# Allegro board TDI_KU5P_QSFP28_CXP_V001-20240805_1841.brd (continued)
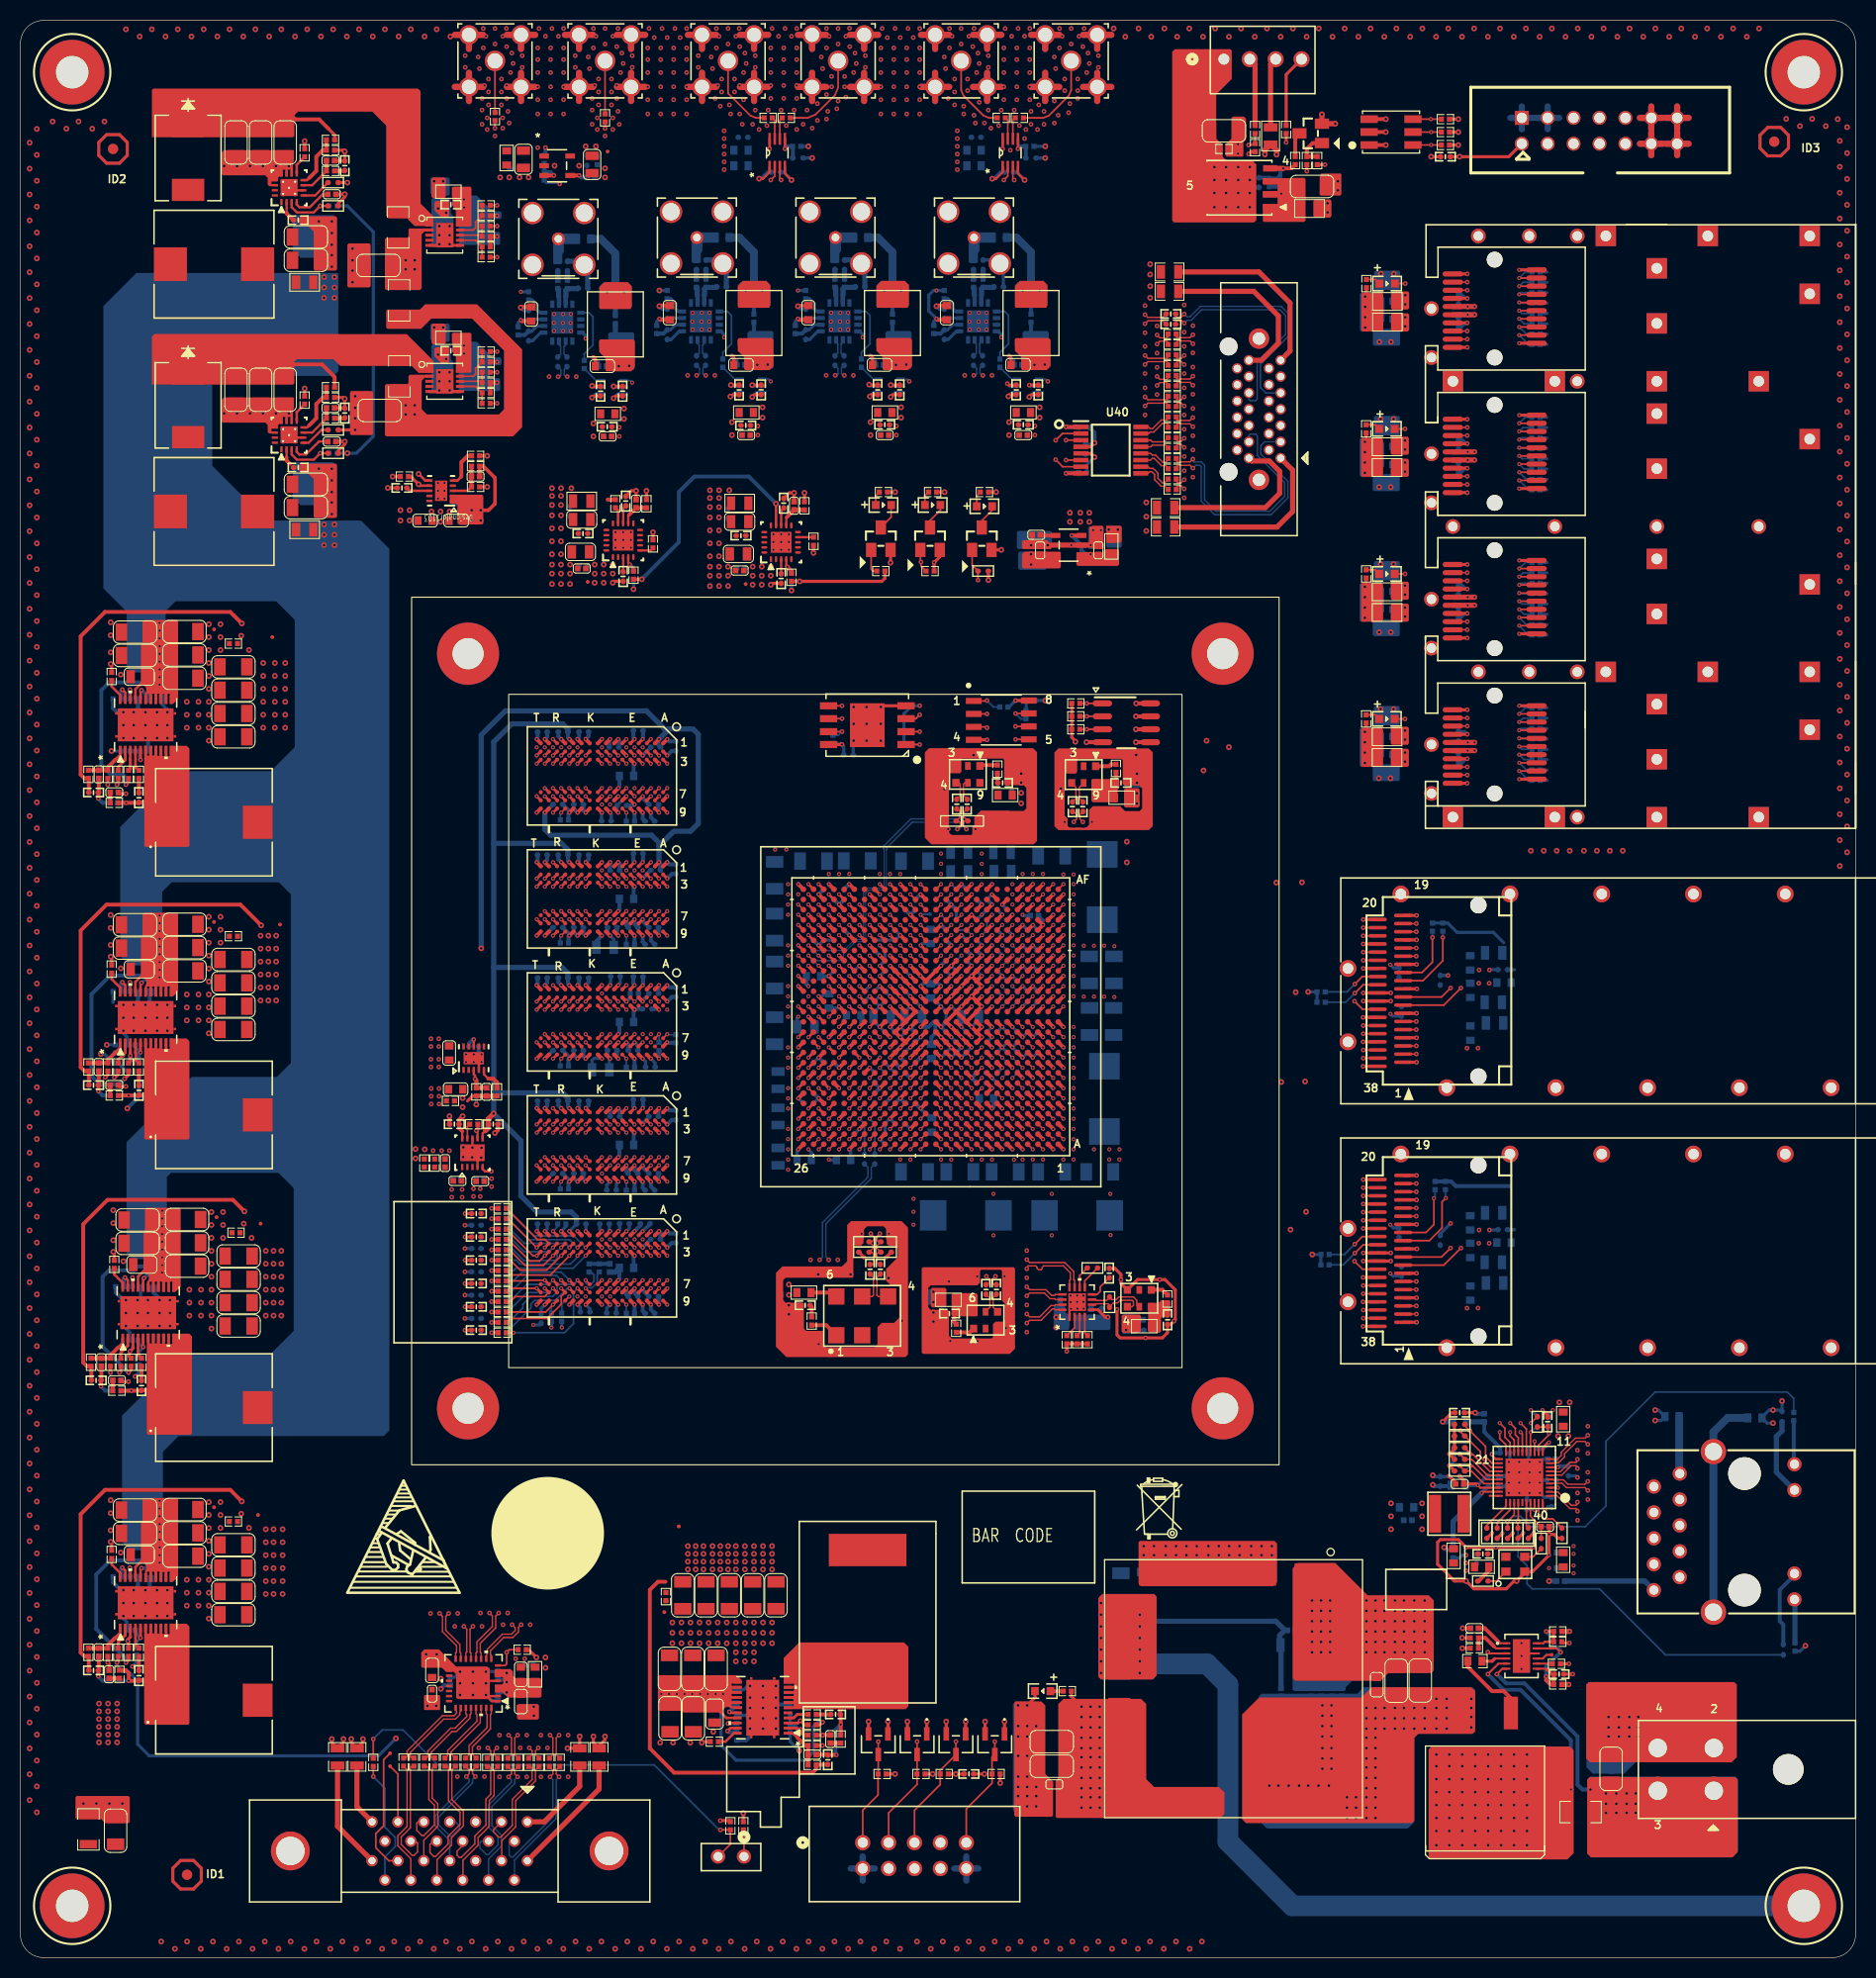
[diagram p0: board, top side]
## Routing (per net, layer and track width the routed paths; a pad name or vN(x,y) marks a point on that pad's centre or on a via; arc(x,y) is an arc through that point) (continued)
  BOTTOM w0.17: TP1.1 90.87,101.71 v1(90.3,102.28)
N29078588: length 1.7
  TOP w0.17: U1.AC14 v1(88.29,102.28)
  BOTTOM w0.17: TP2.1 88.35,102.34 v1(88.29,102.28)
N241274570: length 2.1
  TOP w0.279: U21.4 75.85,23.51 76.19,23.85 R195.1
N251395121: length 1.4
  TOP w0.17: U1.Y11 v1(92.3,99.28)
  BOTTOM w0.17: U1.Y11 v1(92.3,99.28)
N254427481: length 1.8
  BOTTOM w0.305: U14.13 51.03,159.38 50.23,158.58 C276.2
N254472061: length 1.8
  BOTTOM w0.305: U18.13 91.8,159.5 91,158.7 C300.2
N273868450: length 1
  TOP w0.381: C345.2 R197.1
N273966991: length 1
  TOP w0.381: C394.2 R234.1
N287148553: length 2.1
  TOP w0.279: U26.4 11.28,30.69 R244.2
N287151270: length 1
  TOP w0.381: C409.2 R246.1
N287154753: length 2.1
  TOP w0.279: U27.4 11.54,59.14 R258.2
N287157470: length 1
  TOP w0.381: C424.2 R262.1
N287169133: length 2.1
  TOP w0.279: U25.4 11.28,88.76 11.32,88.72 11.32,88.06 R232.2
N287270873: length 2.1
  TOP w0.279: R207.2 11.28,116.79 U22.4
N287273590: length 1
  TOP w0.381: C361.2 R209.1
N2323820015: length 1.8
  BOTTOM w0.305: C277.2 63.82,158.7 64.62,159.5 U13.13
N2544678615: length 1.8
  BOTTOM w0.305: C301.2 77.41,158.7 78.21,159.5 U17.13

## Copper pours and planes (outline as drawn; the poured copper is in the pictures)
AVDD10 on TOP: 150.69,52.43 152.09,52.43 152.21,52.3 152.21,51.03 152.09,50.9 150.69,50.9 150.56,51.03 150.56,52.3
AVDD10 on BOTTOM: 150.43,51.54 152.09,51.54 152.21,51.41 152.21,50.39 152.2,50.38 152.2,48.04 151.98,47.83 151.37,47.83 151.32,47.78 151.32,46.69 152.03,45.97 152.03,43.41 151.31,42.68 148.31,42.68 147.49,43.51 147.49,44.07 147.64,44.22 148.45,44.22 149.21,43.46 150.36,43.46 150.97,44.07 150.97,45.29 150.31,45.95 150.31,51.41
AVDD33 on TOP: 150.82,40.61 152.59,40.61 152.72,40.49 152.72,39.47 152.59,39.34 150.82,39.34 150.69,39.47 150.69,40.49
AVDD33 on BOTTOM: 151.2,40.61 151.2,39.47 151.32,39.34 152.59,39.34 152.72,39.47 152.72,40.61 152.59,40.74 151.32,40.74
AVDD33 on ART10: 147.34,50.85 152.92,50.85 153.28,50.5 153.28,39.55 152.85,39.12 146.55,39.12 146.34,39.32 146.34,49.86
DVDD33 on TOP: 141.04,39.85 141.04,40.61 140.91,40.74 139.39,40.74 139.26,40.61 139.26,39.85 139.39,39.73 140.91,39.73
GND on TOP (solid shape): 34.36,168 34.36,163.93 34.23,163.8 32.2,163.8 32.07,163.93 32.07,168 32.2,168.12 34.23,168.12
GND on TOP (solid shape): 34.61,153.52 34.61,149.45 34.48,149.33 32.45,149.33 32.32,149.45 32.32,153.52 32.45,153.64 34.48,153.64
GND on TOP (solid shape): 41.16,25.68 41.16,24.33 41.11,24.28 39.64,24.28 39.59,24.33 39.59,25.68 39.66,25.76 41.09,25.76
GND on TOP (solid shape): 42.05,172.21 42.05,170.87 41.9,170.71 41.26,170.71 40.6,171.37 40.6,172.11 40.78,172.29 41.98,172.29
GND on TOP (solid shape): 42.05,157.88 42.05,156.53 41.9,156.38 41.26,156.38 40.6,157.04 40.6,157.77 40.78,157.95 41.98,157.95
GND on TOP (solid shape): 90.95,63.4 90.95,62 90.82,61.87 89.42,61.87 89.3,62 89.3,63.4 89.42,63.52 90.82,63.52
GND on TOP (solid shape): 123.26,40.61 123.26,36.8 122.88,36.42 109.92,36.42 109.67,36.68 109.67,40.74 109.79,40.87 123,40.87
GND on TOP (solid shape): 10.73,15.72 10.73,13.31 10.61,13.18 8.32,13.18 7.94,13.56 5.53,13.56 5.4,13.69 5.4,15.72 5.53,15.85 10.61,15.85
GND on TOP (solid shape): 50.87,24.74 50.87,23.47 50.74,23.34 48.83,23.34 48.71,23.47 48.71,24.74 48.83,24.87 50.74,24.87
GND on TOP (solid shape): 129.56,174.9 129.56,172.92 129.45,172.82 127.57,172.82 127.45,172.95 127.45,174.85 127.57,174.98 129.48,174.98
GND on TOP (solid shape): 100.52,24.74 100.52,18.01 101.29,17.25 101.29,13.94 101.16,13.82 97.6,13.82 97.48,13.94 97.48,24.99 97.6,25.12 100.14,25.12
GND on TOP (solid shape): 120.21,180.37 120.21,178.28 119.95,178.03 119.95,176.71 119.88,176.63 118.33,176.63 118.18,176.78 118.18,177.8 118.79,178.41 118.79,180.44 118.91,180.57 120,180.57
GND on TOP (solid shape): 31.05,170.66 31.05,165.58 30.93,165.46 28.9,165.46 28.77,165.58 28.77,169.27 28.13,169.9 27.5,169.9 27.37,170.03 27.37,170.66 27.5,170.79 30.93,170.79
GND on TOP (solid shape): 31.05,146.41 31.05,141.33 30.93,141.2 28.9,141.2 28.77,141.33 28.77,145.01 28.13,145.64 27.5,145.64 27.37,145.77 27.37,146.41 27.5,146.53 30.93,146.53
GND on TOP (solid shape): 42.74,28.55 45.79,28.55 46.04,28.3 46.04,25.5 45.91,25.37 42.87,25.37 42.74,25.5 42.74,27.79 42.48,28.04 41.72,28.04 41.34,28.42 39.44,28.42 39.31,28.55 39.31,29.92 39.61,30.23 41.06,30.23
GND on TOP (solid shape): 106.24,140.31 106.24,138.28 106.11,138.15 105.22,138.15 105.1,138.28 101.16,138.28 101.03,138.15 98.36,138.15 98.24,138.28 98.24,138.91 98.36,139.04 99.91,139.04 99.92,139.04 100.65,139.04 100.9,138.79 104.71,138.79 104.84,138.91 104.84,140.31 104.87,140.34 105.01,140.37 105.14,140.44 106.11,140.44
GND on TOP (solid shape): 26.74,177.22 26.74,174.73 26.69,174.68 26.51,174.68 26.48,174.7 26.48,175.34 26.46,175.36 26.25,175.36 26.23,175.34 26.23,174.7 26.2,174.68 26.02,174.68 26,174.7 26,175.31 25.95,175.36 25.77,175.36 25.72,175.31 25.72,174.7 25.69,174.68 25.39,174.68 25.26,174.55 25.26,174.27 25.21,174.22 24.65,174.22 24.63,174.19 24.63,173.96 24.65,173.94 25.24,173.94 25.26,173.91 25.26,173.79 25.21,173.74 24.4,173.74 24.25,173.89 24.25,174.57 24.02,174.8 19.88,174.8 19.75,174.93 19.75,177.06 19.95,177.27 26.69,177.27
GND on TOP (solid shape): 26.74,152.96 26.74,150.47 26.69,150.42 26.51,150.42 26.48,150.44 26.48,151.08 26.46,151.1 26.25,151.1 26.23,151.08 26.23,150.44 26.2,150.42 26.02,150.42 26,150.44 26,151.05 25.95,151.1 25.77,151.1 25.72,151.05 25.72,150.44 25.69,150.42 25.39,150.42 25.26,150.29 25.26,150.01 25.21,149.96 24.65,149.96 24.63,149.94 24.63,149.71 24.65,149.68 25.24,149.68 25.26,149.66 25.26,149.53 25.21,149.48 24.4,149.48 24.25,149.63 24.25,150.32 24.02,150.55 19.88,150.55 19.75,150.67 19.75,152.81 19.95,153.01 26.69,153.01
GND on TOP (solid shape): 99.71,118.24 99.71,109.52 99.38,109.19 89.35,109.19 88.71,109.83 88.71,116.03 91.07,116.03 91.07,110.36 91.33,110.11 93.28,110.11 93.36,110.19 93.36,110.9 93.56,111.1 93.56,111.86 94.2,112.5 96.97,112.5 96.99,112.47 98.41,112.47 98.67,112.73 98.67,114.71 98.39,114.99 96.61,114.99 96.48,115.11 96.48,117.47 96.36,117.6 92.4,117.6 92.29,117.5 92.29,116.31 92.14,116.15 91.2,116.15 91.07,116.03 88.71,116.03 88.71,118.21 89.12,118.62 99.33,118.62
GND on TOP (solid shape): 111.06,118.21 111.06,110.97 110.68,110.59 101.79,110.59 101.41,110.97 101.41,116 102.43,116 102.43,112.01 102.71,111.73 102.71,111 102.86,110.85 103.13,110.85 103.17,110.83 103.24,110.82 103.32,110.81 103.39,110.82 103.47,110.83 103.51,110.85 104.02,110.85 104.06,110.83 104.13,110.82 104.21,110.81 104.28,110.82 104.35,110.83 104.4,110.85 104.56,110.85 104.82,111.1 104.82,112.55 105.2,112.93 107.86,112.93 108.35,112.45 109.77,112.45 110.02,112.7 110.02,114.68 109.75,114.96 108.29,114.96 108.12,115.14 108.12,117.42 107.97,117.58 103.75,117.58 103.65,117.47 103.65,116.28 103.49,116.13 102.56,116.13 102.43,116 101.41,116 101.41,118.21 101.79,118.59 110.68,118.59
GND on TOP (solid shape): 97.55,67.59 97.55,59.72 97.04,59.21 88.53,59.21 88.41,59.33 88.41,65.66 89.04,65.66 89.04,63.8 89.04,63.78 89.3,63.53 90.8,63.52 90.95,63.53 91.07,63.4 91.07,62.96 91.07,62.96 91.07,60.99 91.33,60.73 95.27,60.73 95.39,60.86 95.39,62.13 95.65,62.38 96.41,62.38 96.54,62.51 96.54,64.16 96.28,64.41 96.28,64.93 96.29,64.97 96.3,65.03 96.3,65.09 96.29,65.15 96.28,65.19 96.28,65.87 96.29,65.91 96.3,65.97 96.3,66.03 96.29,66.09 96.28,66.13 96.28,67.34 96.15,67.46 94.25,67.46 94.12,67.34 94.12,66.19 93.87,65.94 90.8,65.94 89.32,65.94 89.3,65.94 89.04,65.68 89.04,65.66 88.41,65.66 88.41,67.59 88.53,67.72 97.42,67.72
GND on TOP (solid shape): 87.06,71.6 87.06,59.16 86.81,58.9 75.12,58.9 74.11,59.92 74.11,66.45 74.82,66.45 74.82,64.47 75.05,64.24 76.63,64.24 76.75,64.24 76.85,64.13 76.85,61.7 77.08,61.47 78.73,61.47 78.83,61.37 78.83,60.07 79.03,59.87 83.81,59.87 84.06,60.12 84.06,61.85 84.47,62.26 85.69,62.26 86.2,62.76 86.2,65.79 86.1,65.89 85.41,65.89 84.9,66.4 84.9,66.92 84.91,66.95 84.92,67.01 84.92,67.07 84.91,67.14 84.9,67.17 84.9,67.54 86.05,68.68 86.05,69.57 85.79,69.82 85.16,69.82 84.96,70.02 84.95,70.04 84.96,70.1 84.97,70.17 84.97,70.24 84.96,70.31 84.94,70.37 84.92,70.44 84.9,70.47 84.9,71.48 84.65,71.73 83.05,71.73 82.74,71.42 82.74,70.47 82.73,70.44 82.71,70.38 82.69,70.32 82.68,70.26 82.68,70.2 82.68,70.14 82.69,70.09 82.68,70.07 82.46,69.85 81.78,69.85 81.7,69.77 81.7,66.75 81.63,66.67 75.05,66.67 74.82,66.45 74.11,66.45 74.11,67.16 74.74,67.79 80.58,67.79 81.09,68.3 81.09,71.86 81.47,72.24 86.43,72.24
GND on BOTTOM (solid shape): 30.93,170.66 30.93,167.11 30.67,166.85 26.99,166.85 26.74,167.11 26.74,170.66 26.99,170.92 30.67,170.92
GND on BOTTOM (solid shape): 30.93,146.41 30.93,142.85 30.67,142.6 26.99,142.6 26.74,142.85 26.74,146.41 26.99,146.66 30.67,146.66
GND on BOTTOM (solid shape): 100.27,24.74 100.27,14.58 99.89,14.2 97.6,14.2 97.35,14.45 97.35,24.87 97.6,25.12 99.89,25.12
GND on BOTTOM (solid shape): 135.3,145.36 135.3,143.97 135.17,143.84 132.76,143.84 132.63,143.97 132.63,145.36 132.76,145.49 135.17,145.49
GND on BOTTOM (solid shape): 135.3,131.14 135.3,129.74 135.17,129.62 132.76,129.62 132.63,129.74 132.63,131.14 132.76,131.27 135.17,131.27
GND on BOTTOM (solid shape): 135.3,116.92 135.3,115.52 135.17,115.39 132.76,115.39 132.63,115.52 132.63,116.92 132.76,117.04 135.17,117.04
GND on BOTTOM (solid shape): 135.32,159.61 135.32,158.22 135.19,158.09 132.78,158.09 132.65,158.22 132.65,159.61 132.78,159.74 135.19,159.74
GND on BOTTOM (solid shape): 42.23,172.44 42.23,171.04 42.48,170.79 42.48,167.87 42.36,167.74 40.45,167.74 40.33,167.87 40.33,172.44 40.45,172.57 42.1,172.57
GND on BOTTOM (solid shape): 42.23,158.1 42.23,156.71 42.48,156.45 42.48,153.53 42.36,153.41 40.45,153.41 40.33,153.53 40.33,158.1 40.45,158.23 42.1,158.23
GND on BOTTOM (solid shape): 101.16,139.8 101.16,138.28 101.03,138.15 100.63,138.15 97.86,138.15 97.73,138.28 97.73,139.8 97.86,139.93 101.03,139.93
GND on BOTTOM (solid shape): 106.24,140.21 106.24,138.4 105.98,138.15 104.84,138.15 104.71,138.28 104.71,140.23 104.82,140.33 104.86,140.33 106.11,140.33
GND on BOTTOM (solid shape): 110.76,116.66 110.76,114.88 110.63,114.76 109.24,114.76 109.24,114.79 108.44,114.79 108.35,114.88 108.35,116.66 108.47,116.79 110.63,116.79
GND on BOTTOM (solid shape): 135.3,151.08 135.3,149.43 135.17,149.3 133.64,149.3 133.39,149.05 132.88,149.05 132.76,149.17 132.76,151.08 132.88,151.21 135.17,151.21
GND on BOTTOM (solid shape): 135.3,136.86 135.3,135.2 135.17,135.08 133.64,135.08 133.39,134.82 132.88,134.82 132.76,134.95 132.76,136.86 132.88,136.98 135.17,136.98
GND on BOTTOM (solid shape): 135.3,122.63 135.3,120.98 135.17,120.85 133.64,120.85 133.39,120.6 132.88,120.6 132.76,120.73 132.76,122.63 132.88,122.76 135.17,122.76
GND on BOTTOM (solid shape): 135.32,165.33 135.32,163.68 135.19,163.55 133.67,163.55 133.42,163.3 132.91,163.3 132.78,163.42 132.78,165.33 132.91,165.46 135.19,165.46
GND on TOP: 67.02,20.77 62.58,20.77 62.42,20.92 62.42,23.37 62.58,23.52 68.57,23.52 68.94,23.15 68.94,21.86 68.9,21.82 67.5,21.82 67.12,21.44 67.12,20.87
GND on TOP: 8.54,98.09 8.54,102.44 8.69,102.59 11.14,102.59 11.29,102.44 11.29,96.44 11.09,96.24 9.72,96.24 9.59,96.37 9.59,97.74 9.41,97.92 8.72,97.92
GND on TOP: 8.54,40.55 8.54,45.03 8.69,45.19 11.14,45.19 11.29,45.03 11.29,39.04 10.93,38.67 9.63,38.67 9.59,38.71 9.59,40.11 9.21,40.49 8.6,40.49
GND on TOP: 42.61,74.24 41.57,74.24 41.52,74.29 41.52,76.4 41.57,76.45 42.64,76.45 42.69,76.4 42.69,74.32
GND on TOP: 1.4,180.44 11.12,180.44 11.75,179.81 11.75,135.74 10.61,134.59 6.29,134.59 5.02,133.32 5.02,28.3 6.67,26.64 6.67,21.31 7.69,20.29 21.58,20.29 23.13,18.75 23.13,7.47 24.3,6.3 116.63,6.3 117.41,5.52 117.41,1.4 116.53,0.51 14.37,0.51 13.48,1.4 13.48,12.62 12.92,13.18 2.21,13.18 0.51,14.88 0.51,179.55
GND on TOP: 71.31,150.47 71.31,149.07 71.44,148.95 72.96,148.95 73.09,149.07 73.09,150.47 72.96,150.6 71.44,150.6
GND on TOP: 65.73,159.34 67.76,159.34 68.01,159.59 68.01,161.72 67.84,161.9 65.68,161.9 65.6,161.82 65.6,159.46
GND on TOP: 75.25,64.24 76.65,64.24 76.77,64.11 76.77,62.71 76.65,62.59 75.25,62.59 75.12,62.71 75.12,64.11
GND on TOP: 48.58,28.04 49.47,28.04 49.72,28.3 49.72,29.57 49.6,29.69 48.45,29.69 48.33,29.57 48.33,28.3
GND on TOP: 79.32,159.34 81.35,159.34 81.6,159.59 81.6,161.72 81.42,161.9 79.27,161.9 79.19,161.82 79.19,159.46
GND on TOP: 8.79,69.06 8.79,73.48 8.95,73.63 11.4,73.63 11.55,73.48 11.55,67.49 11.18,67.12 9.88,67.12 9.85,67.16 9.85,68.55 9.83,68.57 9.83,68.8 9.67,68.96 8.9,68.96
GND on TOP: 98.44,150.42 98.44,149.03 98.57,148.9 100.09,148.9 100.22,149.03 100.22,150.42 100.09,150.55 98.57,150.55
GND on TOP: 141.67,39.22 143.07,39.22 143.32,39.47 143.32,39.98 143.2,40.11 142.94,40.11 142.56,40.49 141.67,40.49 141.54,40.36 141.54,39.34
GND on TOP: 18.83,32.7 18.38,33.15 9.49,33.15 9.3,33.34 9.3,36.26 9.49,36.45 15.53,36.45 16.06,36.99 16.06,44.86 16.27,45.06 20.51,45.06 20.77,44.81 20.77,42.14 20.51,41.88 20.51,32.99 20.22,32.7
GND on TOP: 70.7,138.94 73.47,138.94 73.57,139.04 73.57,139.8 73.68,139.9 75.55,139.9 75.66,139.8 75.66,139.04 75.76,138.94 76.52,138.94 76.57,138.89 76.57,138.73 76.52,138.68 75.83,138.68 75.68,138.53 75.68,137.85 75.63,137.79 73.68,137.79 73.6,137.87 73.6,138.58 73.5,138.68 70.25,138.68 70.04,138.48 70.04,137.06 70.42,136.68 70.42,134.26 70.17,134.01 67.5,134.01 67.25,134.26 67.25,141.38 67.38,141.5 70.04,141.5 70.17,141.38 70.17,139.98 70.55,139.6 70.55,139.09
GND on TOP: 40.71,144.88 40.71,142.44 40.43,142.16 40.15,142.16 39.99,142.01 39.99,140.64 40.07,140.56 42.36,140.56 42.48,140.69 42.48,142.09 42.38,142.19 41.95,142.19 41.85,142.29 41.85,144.12 41.98,144.25 42.69,144.25 42.71,144.27 42.71,144.45 42.66,144.5 41.95,144.5 41.85,144.6 41.85,144.88 41.77,144.96 40.78,144.96
GND on TOP: 158.09,52.17 152.09,58.18 144.85,58.18 144.59,58.43 144.59,61.7 142.69,63.6 142.69,76.49 142.72,76.57 142.81,76.59 144.15,77.72 142.81,78.84 142.72,78.87 142.69,78.94 142.69,85.19 142.72,85.27 142.81,85.29 144.15,86.42 142.81,87.54 142.72,87.57 142.69,87.64 142.69,100.94 144.72,102.97 144.72,110.46 147.13,112.88 148.78,112.88 150.69,114.78 150.69,138.66 149.29,140.06 149.29,141.2 150.69,142.6 150.69,152.25 149.29,153.64 149.29,156.06 150.69,157.45 150.69,173.84 151.83,174.98 157.67,174.98 158.61,175.92 158.61,182.58 156.78,184.4 154.85,184.4 151.45,187.81 111.85,187.81 111.32,187.27 111.32,176.76 107.38,172.82 59.81,172.82 59.5,173.13 59.5,177.72 58.87,178.36 54.85,178.36 54.52,178.69 47.59,178.69 46.88,177.98 42.53,177.98 41.21,179.3 41.21,185.9 40.45,186.66 10.86,186.66 9.97,187.55 9.97,189.2 10.26,189.49 96.49,189.49 96.49,189.49 169.1,189.49 169.69,188.9 169.69,181.76 170.86,180.59 179.01,180.59 179.49,180.11 179.49,173.66 179.49,173.66 179.49,52.68 178.98,52.17 170.88,52.17 170.5,52.55 170.5,54.33 170.37,54.46 164.02,54.46 163.64,54.08 163.64,52.17
GND on TOP: 75.2,31.34 74.46,30.61 74.46,21.72 74.27,21.53 71.35,21.53 71.16,21.72 71.16,27.75 70.62,28.29 62.75,28.29 62.55,28.5 62.55,35.15 62.68,35.28 63.57,35.28 64.07,34.77 75,34.77 75.2,34.57
GND on TOP: 45.48,78.05 45.48,79.6 45.33,79.76 40.38,79.76 40.27,79.65 40.27,78.16 40.38,78.05
GND on TOP: 84.9,150.47 84.9,149.07 85.03,148.95 86.55,148.95 86.68,149.07 86.68,150.47 86.55,150.6 85.03,150.6
GND on TOP: 42.71,88.39 43.14,88.82 45.48,88.82 45.58,88.72 45.58,87.73 45.48,87.63 43.22,87.63 42.99,87.4 42.99,86.77 42.97,86.74 42.97,86.56 42.36,85.95 42.36,84.68 42.03,84.35 42.03,83.21 42,83.19 39.97,83.19 39.92,83.24 39.92,88.26 40.05,88.39
GND on TOP: 92.91,159.34 94.94,159.34 95.19,159.59 95.19,161.72 95.01,161.9 92.85,161.9 92.78,161.82 92.78,159.46
GND on TOP: 18.83,90.11 18.38,90.55 9.49,90.55 9.3,90.74 9.3,93.66 9.49,93.86 15.53,93.86 16.06,94.39 16.06,102.26 16.27,102.46 20.51,102.46 20.77,102.21 20.77,99.54 20.51,99.29 20.51,90.4 20.22,90.11
GND on TOP: 18.83,118.81 18.38,119.26 9.49,119.26 9.3,119.44 9.3,122.36 9.49,122.56 15.53,122.56 16.06,123.1 16.06,130.96 16.27,131.17 20.51,131.17 20.77,130.91 20.77,128.24 20.51,127.99 20.51,119.1 20.22,118.81
GND on TOP: 55.06,176 55.57,175.49 56.71,175.49 57.09,175.87 57.72,175.87 57.85,175.74 57.85,174.22 57.72,174.09 55.31,174.09 55.06,174.35 55.06,175.11 54.68,175.49 50.99,175.49 50.49,174.98 50.49,174.35 50.31,174.17 48.68,174.17 48.58,174.27 48.58,175.87 48.71,176
GND on TOP: 55.21,139.14 57.98,139.14 58.08,139.24 58.08,140 58.18,140.11 60.06,140.11 60.16,140 60.16,139.24 60.26,139.14 61.03,139.14 61.08,139.09 61.08,138.94 61.03,138.89 60.34,138.89 60.19,138.73 60.19,138.05 60.14,138 58.18,138 58.11,138.07 58.11,138.79 58,138.89 54.75,138.89 54.55,138.68 54.55,137.26 54.93,136.88 54.93,134.47 54.68,134.21 52.01,134.21 51.76,134.47 51.76,141.58 51.88,141.71 54.55,141.71 54.68,141.58 54.68,140.18 55.06,139.8 55.06,139.29
GND on TOP: 110.18,143.36 111.83,143.36 111.95,143.23 111.95,139.42 111.83,139.29 110.18,139.29 110.05,139.42 110.05,143.23
GND on TOP: 57.72,150.34 57.72,148.95 57.85,148.82 59.38,148.82 59.5,148.95 59.5,150.34 59.38,150.47 57.85,150.47
GND on TOP: 112.33,166.47 112.33,162.41 112.21,162.28 110.56,162.28 110.43,162.41 110.43,166.47 110.56,166.6 112.21,166.6
GND on TOP: 19.08,61.15 18.63,61.6 9.66,61.6 9.54,61.72 9.54,64.8 9.64,64.9 15.78,64.9 16.32,65.44 16.32,73.3 16.52,73.51 20.89,73.51 21.02,73.38 21.02,70.59 20.77,70.33 20.77,61.44 20.48,61.15
GND on TOP: 8.54,126.73 8.54,131.14 8.69,131.29 11.14,131.29 11.29,131.14 11.29,125.15 10.93,124.78 9.63,124.78 9.59,124.82 9.59,126.21 9.21,126.59 8.68,126.59
GND on TOP: 52.14,159.21 54.17,159.21 54.42,159.46 54.42,161.6 54.25,161.77 52.09,161.77 52.01,161.7 52.01,159.34
GND on TOP, BOTTOM: 45.23,76.58 45.23,76.02 45.96,75.29 46.5,75.29 46.52,75.31 46.52,76.63 46.47,76.68 45.33,76.68
GND on TOP, BOTTOM: 44.54,73.51 44.54,60.99 44.34,60.78 42.94,60.78 42.81,60.91 42.81,73.48 42.89,73.56 44.49,73.56
GND on BOTTOM: 15.46,102.77 19.58,102.77 20.13,102.22 20.13,90.33 19.88,90.08 8.92,90.08 8.54,90.46 8.54,93.57 8.8,93.83 13.66,93.83 14.93,95.1 14.93,102.24
GND on BOTTOM: 105.22,75.08 105.22,70.76 105.35,70.64 109.03,70.64 109.16,70.76 109.16,75.08 109.03,75.21 105.35,75.21
GND on BOTTOM: 103.01,96.34 103.01,95.2 103.37,94.84 108.14,94.84 108.27,94.97 108.27,96.62 108.14,96.75 103.42,96.75
GND on BOTTOM: 48.71,176 49.98,176 50.1,175.87 50.1,174.35 49.98,174.22 48.71,174.22 48.58,174.35 48.58,175.87
GND on BOTTOM: 15.54,131.47 20.85,131.47 21.4,130.92 21.4,119.48 21.02,119.1 9.72,119.1 9.46,119.35 9.46,122.28 9.72,122.53 14.42,122.53 15.18,123.29 15.18,131.11
GND on BOTTOM: 40.2,145.01 42.61,145.01 42.87,144.75 42.87,141.96 42.48,141.58 42.48,140.44 42.36,140.31 40.2,140.31 40.07,140.44 40.07,144.88
GND on BOTTOM: 85.66,78.46 87.44,78.46 87.57,78.33 87.57,78.08 87.19,77.7 87.19,76.17 87.06,76.05 85.66,76.05 85.54,76.17 85.54,78.33
GND on BOTTOM: 75.45,82.12 73.47,82.12 73.37,82.02 73.35,82.02 73.35,79.1 73.5,78.94 75.45,78.94 75.58,79.07 75.58,81.99
GND on BOTTOM: 95.9,104.75 95.9,107.14 95.77,107.26 95.01,107.26 94.88,107.14 94.88,105.74 94.76,105.61 94.3,105.61 94.05,105.36 94.05,104.75 94.17,104.62 95.77,104.62
GND on BOTTOM: 92.65,78.46 95.7,78.46 95.82,78.33 95.82,76.05 95.7,75.92 92.65,75.92 92.52,76.05 92.52,78.33
GND on BOTTOM: 42.69,76.5 42.69,74.37 42.64,74.32 41.72,74.32 41.67,74.37 41.67,76.53 41.72,76.58 42.61,76.58
GND on BOTTOM: 134.18,44.93 135.58,44.93 135.7,44.81 135.7,43.66 135.96,43.41 135.96,41.76 135.83,41.63 134.18,41.63 134.05,41.76 134.05,44.81
GND on BOTTOM: 72.96,86.46 75.76,86.46 75.89,86.59 75.89,90.02 75.76,90.14 73.09,90.14 72.84,89.89 72.84,86.59
GND on BOTTOM: 99.2,109.04 99.08,108.92 99.08,106.12 99.2,105.99 100.4,105.99 100.52,106.12 100.52,108.94 100.42,109.04
GND on BOTTOM: 74.23,64.49 76.39,64.49 76.52,64.36 76.52,62.59 76.39,62.46 74.23,62.46 74.11,62.59 74.11,64.36
GND on BOTTOM: 145.74,48.87 148.73,48.87 149.21,49.35 149.93,49.35 150.03,49.25 150.03,45.9 148.81,44.68 145.81,44.68 145.61,44.88 145.61,48.74
GND on BOTTOM: 88.71,109.19 91.51,109.19 91.63,109.07 91.63,105.89 91.51,105.77 88.59,105.77 88.46,105.89 88.46,108.94
GND on BOTTOM: 149.8,40.23 150.82,40.23 150.94,40.11 150.94,37.95 150.82,37.82 149.8,37.82 149.67,37.95 149.67,40.11
GND on BOTTOM: 141.72,88.89 141.65,88.97 141.65,90.29 141.77,90.42 143.12,90.42 143.2,90.35 143.2,88.98 143.11,88.89
GND on BOTTOM: 14.37,0.51 13.48,1.4 13.48,12.62 12.92,13.18 2.21,13.18 0.51,14.88 0.51,179.55 1.4,180.44 9.31,180.44 11.14,182.27 11.14,188.62 12.01,189.49 169.5,189.49 169.79,189.21 169.79,181.36 170.42,180.72 178.7,180.72 179.49,179.93 179.49,63.65 177.33,61.49 164.86,61.49 162.42,63.93 162.42,128.42 159.02,131.83 159.02,165.68 155.51,169.19 127.85,169.19 125.95,171.09 125.95,177.98 125.08,178.84 115.31,178.84 115.03,178.56 115.03,164.64 112.44,162.05 104.13,162.05 102.63,163.55 102.63,178.33 101.74,179.22 93.74,179.22 93.54,179.02 93.54,178.36 93.36,178.18 79.92,178.18 78.96,179.15 73.07,179.15 73.04,179.12 71.74,179.12 71.29,179.58 68.52,179.58 67.22,178.28 33.11,178.28 21.94,167.11 11.42,167.11 5.02,160.71 5.02,28.3 6.67,26.64 6.67,21.31 7.69,20.29 10.71,20.29 10.71,20.19 12.39,18.52 22.01,18.52 23.13,17.4 23.13,7.47 24.3,6.3 69.31,6.3 81.47,18.47 81.47,24.26 78.55,27.18 74.93,27.18 74.93,21.86 74.77,21.69 71.16,21.69 70.98,21.87 70.98,26.39 70.96,26.42 70.96,27 70.55,27.41 62.5,27.41 62.47,27.43 57.93,27.43 55.82,29.54 55.82,38.02 74.39,56.59 74.39,59.39 76.85,61.85 76.85,67.08 77.33,67.56 85.46,67.56 87.52,69.62 109.67,69.62 112.94,72.9 112.94,118.92 114.16,120.14 125.82,120.14 126.61,119.35 126.61,42.21 126.1,41.71 124.37,41.71 123.26,40.59 123.26,37.31 123,37.06 106.24,37.06 106.06,37.24 102.4,37.24 100.35,35.18 100.35,12.8 102.61,10.54 113.15,10.54 117.46,6.22 117.46,3.73 117.41,3.68 117.41,1.4 116.53,0.51 ; 3 cut-outs
GND on BOTTOM: 141.67,40.61 143.2,40.61 143.32,40.49 143.32,39.34 143.2,39.22 141.67,39.22 141.54,39.34 141.54,40.49
GND on BOTTOM: 91.13,70.74 91.13,75.06 91,75.18 87.32,75.18 87.19,75.06 87.19,70.74 87.32,70.61 91,70.61
GND on BOTTOM: 91.63,179.55 93.41,179.55 93.54,179.43 93.54,178.36 93.36,178.18 91.61,178.18 91.51,178.28 91.51,179.43
GND on BOTTOM: 103.95,106.65 108.65,106.65 108.91,106.91 108.91,111.68 108.6,111.99 104.23,111.99 103.83,111.58 103.83,106.78
GND on BOTTOM: 141.72,63.39 141.65,63.47 141.65,64.79 141.77,64.92 143.12,64.92 143.2,64.85 143.2,63.47 143.11,63.39
GND on BOTTOM: 42.87,28.68 46.04,28.68 46.17,28.55 46.17,25.12 46.04,24.99 42.87,24.99 42.74,25.12 42.74,28.55
GND on BOTTOM: 15.33,73.82 19.83,73.82 20.39,73.26 20.39,61.38 20.13,61.12 9.17,61.12 8.8,61.5 8.8,64.62 9.05,64.87 13.91,64.87 15.2,66.17 15.2,73.69
GND on BOTTOM: 145.16,69.83 144.82,69.49 141.8,69.49 141.67,69.62 141.67,71.62 141.8,71.74 144.19,71.74 144.34,71.59 144.34,70.95 144.44,70.85 145.04,70.85 145.16,70.73
GND on BOTTOM: 145.16,95.33 144.82,94.99 141.8,94.99 141.67,95.12 141.67,97.12 141.8,97.24 144.19,97.24 144.34,97.1 144.34,96.46 144.44,96.35 145.04,96.35 145.16,96.23
GND on BOTTOM: 39.94,88.24 40.07,88.37 42.99,88.37 43.53,88.9 45.43,88.9 45.53,88.8 45.53,86.97 45.41,86.84 43.25,86.84 42.36,85.95 42.36,82.14 42.1,81.89 40.33,81.89 39.94,82.27
GND on BOTTOM: 48.45,29.82 49.6,29.82 49.72,29.69 49.72,28.42 49.6,28.3 48.45,28.3 48.33,28.42 48.33,29.69
GND on BOTTOM: 82.18,106.12 82.18,108.66 82.06,108.79 78.76,108.79 78.63,108.66 78.63,106.12 78.76,105.99 82.06,105.99
GND on BOTTOM: 15,45.37 19.58,45.37 20.13,44.81 20.13,32.93 19.88,32.67 8.92,32.67 8.54,33.05 8.54,36.09 8.88,36.42 13.43,36.42 14.72,37.72 14.72,45.09
GND on BOTTOM: 102.05,78.46 104.71,78.46 105.22,77.95 105.22,76.05 105.1,75.92 102.05,75.92 101.92,76.05 101.92,78.33
GND on BOTTOM: 72.84,96.88 75.5,96.88 75.63,97 75.63,100.18 75.5,100.3 72.84,100.3 72.71,100.18 72.71,97
GND on BOTTOM: 67.38,141.63 69.92,141.63 70.04,141.5 70.04,136.8 70.17,136.68 70.42,136.68 70.55,136.55 70.55,134.26 70.42,134.14 67.5,134.14 67.25,134.39 67.25,141.5
GND on BOTTOM: 103.01,89.1 103.02,89.09 103.02,86.25 103.19,86.08 108.27,86.08 108.4,86.21 108.4,91.03 108.27,91.16 104,91.16 103.6,91.57 103.09,91.57 103.01,91.49
GND on BOTTOM: 51.88,141.83 54.42,141.83 54.55,141.71 54.55,137.01 54.68,136.88 54.93,136.88 55.06,136.75 55.06,134.47 54.93,134.34 52.01,134.34 51.76,134.59 51.76,141.71
GND on BOTTOM: 99.18,114.99 97.02,114.99 96.89,115.11 96.89,116.89 97.02,117.02 99.18,117.02 99.24,116.95 99.24,115.05
GND on BOTTOM: 68.77,179.55 70.55,179.55 70.68,179.43 70.68,178.16 70.55,178.03 68.77,178.03 68.65,178.16 68.65,179.43
GND on BOTTOM: 72.96,106.91 75.12,106.91 75.38,107.16 75.38,108.81 75.12,109.07 73.09,109.07 72.84,108.81 72.84,107.04
GND on BOTTOM: 57.47,176.12 57.6,176 57.6,174.35 57.47,174.22 56.2,174.22 56.07,174.35 56.07,174.98 55.82,175.23 54.55,175.23 54.42,175.36 54.42,176 54.55,176.12
GND on BOTTOM: 81.47,123.16 84.78,123.16 84.9,123.04 84.9,119.1 84.78,118.97 81.47,118.97 81.35,119.1 81.35,123.04
GND on GND02, GND04, GND06, GND09, GND11, GND13: 179.49,179.81 179.49,52.22 179.09,51.82 179.09,51.74 170.86,51.74 170.4,52.2 170.4,54.05 170.12,54.33 164.12,54.33 163.64,53.85 163.64,31.72 163.9,31.47 177.99,31.47 178.25,31.22 178.25,29.18 177.87,28.8 160.85,28.8 153.74,35.92 141.16,35.92 136.59,40.49 123.89,40.49 123.26,39.85 123.26,37.31 123,37.06 104.33,37.06 103.7,36.42 103.7,26.52 104.21,26.01 110.3,26.01 111.45,24.87 111.45,18.64 112.84,17.25 116.78,17.25 117.41,16.61 117.41,1.4 116.53,0.51 14.37,0.51 13.48,1.4 13.48,12.62 12.92,13.18 2.21,13.18 0.51,14.88 0.51,179.55 1.4,180.44 8.19,180.44 9.08,181.33 9.08,188.6 9.97,189.49 170.75,189.49 171.14,189.11 171.14,181.2 171.77,180.57 178.73,180.57
GND on ART03: 130.98,77.09 130.98,61.49 137.56,61.49 137.56,77.09
GND on ART03: 103.06,125.32 109.29,125.32 110.18,124.43 110.18,97.76 108.27,95.86 103.06,95.86 102.68,96.24 102.68,124.94
GND on ART03: 130.98,102.59 130.98,87 137.56,87 137.56,102.59
GND on ART03: 40.45,34.39 49.72,34.39 50.49,33.63 50.49,32.49 48.96,30.96 47.56,30.96 47.06,30.45 47.06,25.76 45.79,24.49 39.44,24.49 39.18,24.74 39.18,33.12
GND on ART03: 52.9,144.75 106.11,144.75 107.13,143.74 107.13,137.26 105.6,135.74 90.62,135.74 89.6,134.72 89.6,127.74 88.84,126.97 80.08,126.97 77.16,124.05 77.16,121.51 76.52,120.88 50.99,120.88 49.34,119.23 49.34,80.75 46.04,77.44 40.83,77.44 40.2,78.08 40.2,118.72 48.71,127.23 48.71,140.56
GND on ART03: 150.97,35.92 141.16,35.92 136.59,40.49 123.89,40.49 123.26,39.85 123.26,37.31 123,37.06 104.21,37.06 104.14,37.12 98.43,37.12 96.33,39.22 76.9,39.22 73.85,42.27 66.74,42.27 64.84,44.17 64.84,45.95 82.49,63.6 82.49,68.55 83.38,69.44 88.33,69.44 90.24,67.54 97.35,67.54 98.11,66.78 118.05,66.78 125.67,59.16 137.99,59.16 141.8,62.97 141.8,104.11 148.66,110.97 148.66,123.27 147.11,124.82 147.11,127.86 148.66,129.41 148.66,164.95 146.5,167.11 146.5,170.15 147.13,170.79 153.1,170.79 158.56,176.25 158.56,181.71 157.8,182.47 136.97,182.47 135.19,180.7 135.19,177.77 134.31,176.89 126.43,176.89 123.64,179.68 115.89,179.68 111.95,175.74 94.68,175.74 92.4,173.46 46.93,173.46 46.04,172.57 46.04,168 44.9,166.85 2.86,166.85 0.51,169.2 0.51,179.55 1.4,180.44 8.19,180.44 9.08,181.33 9.08,188.6 9.97,189.49 170.75,189.49 171.14,189.11 171.14,181.2 171.77,180.57 178.73,180.57 179.49,179.81 179.49,169.46 179.49,52.3 179.14,51.94 179.14,51.92 171.39,51.92 171.01,52.3 171.01,54.97 170.75,55.22 163.64,55.22 163.01,54.58 163.01,34.65 162.8,34.44 158.79,34.44 154.37,38.86 151.53,38.86 151.17,38.51 151.17,36.12
GND on ART05: 160.8,28.85 153.74,35.92 141.16,35.92 136.59,40.49 123.89,40.49 123.26,39.85 123.26,37.31 123,37.06 104.84,37.06 104.33,37.57 104.33,48.36 93.22,59.47 45.6,59.47 40.96,64.11 40.96,118.08 41.85,118.97 45.15,118.97 47.31,116.81 47.31,68.43 48.07,67.67 56.45,67.67 57.34,68.55 57.34,74.14 57.98,74.78 72.94,74.78 80.18,67.54 97.35,67.54 98.11,66.78 111.95,66.78 125.67,53.06 141.8,53.06 143.83,51.03 147.26,51.03 147.64,51.41 147.64,57.76 146.75,58.65 129.23,58.65 113.99,73.89 113.99,138.4 115.38,139.8 123.76,139.8 125.54,141.58 125.54,161.52 123.38,163.68 106.11,163.68 96.33,173.46 46.93,173.46 46.04,172.57 46.04,168 44.9,166.85 2.86,166.85 0.51,169.2 0.51,179.55 1.4,180.44 8.19,180.44 9.08,181.33 9.08,188.6 9.97,189.49 170.75,189.49 171.14,189.11 171.14,181.2 171.77,180.57 178.73,180.57 179.49,179.81 179.49,169.46 179.49,52.3 179.01,51.82 179.01,51.79 171.14,51.79 170.5,52.43 170.5,54.2 170.25,54.46 164.02,54.46 163.52,53.95 163.52,31.6 164.02,31.09 177.87,31.09 178.12,30.84 178.12,29.44 177.53,28.85
